# Altium PCB OECU_BASE.PcbDoc (part 3 of 6)
Units mil, origin at the board's own origin, x right, y up, seen from the top; angles counter-clockwise.
Board outline 3937.01 x 3937.01 mil, 6 copper layers (SIG1, GND1, SIG2, POWER, GND2, SIG3), stack 60.566 mil thick; 357 components, 364 nets, 1500 pads, 1127 vias.
Unrouted connection lines stored in the file: 1.
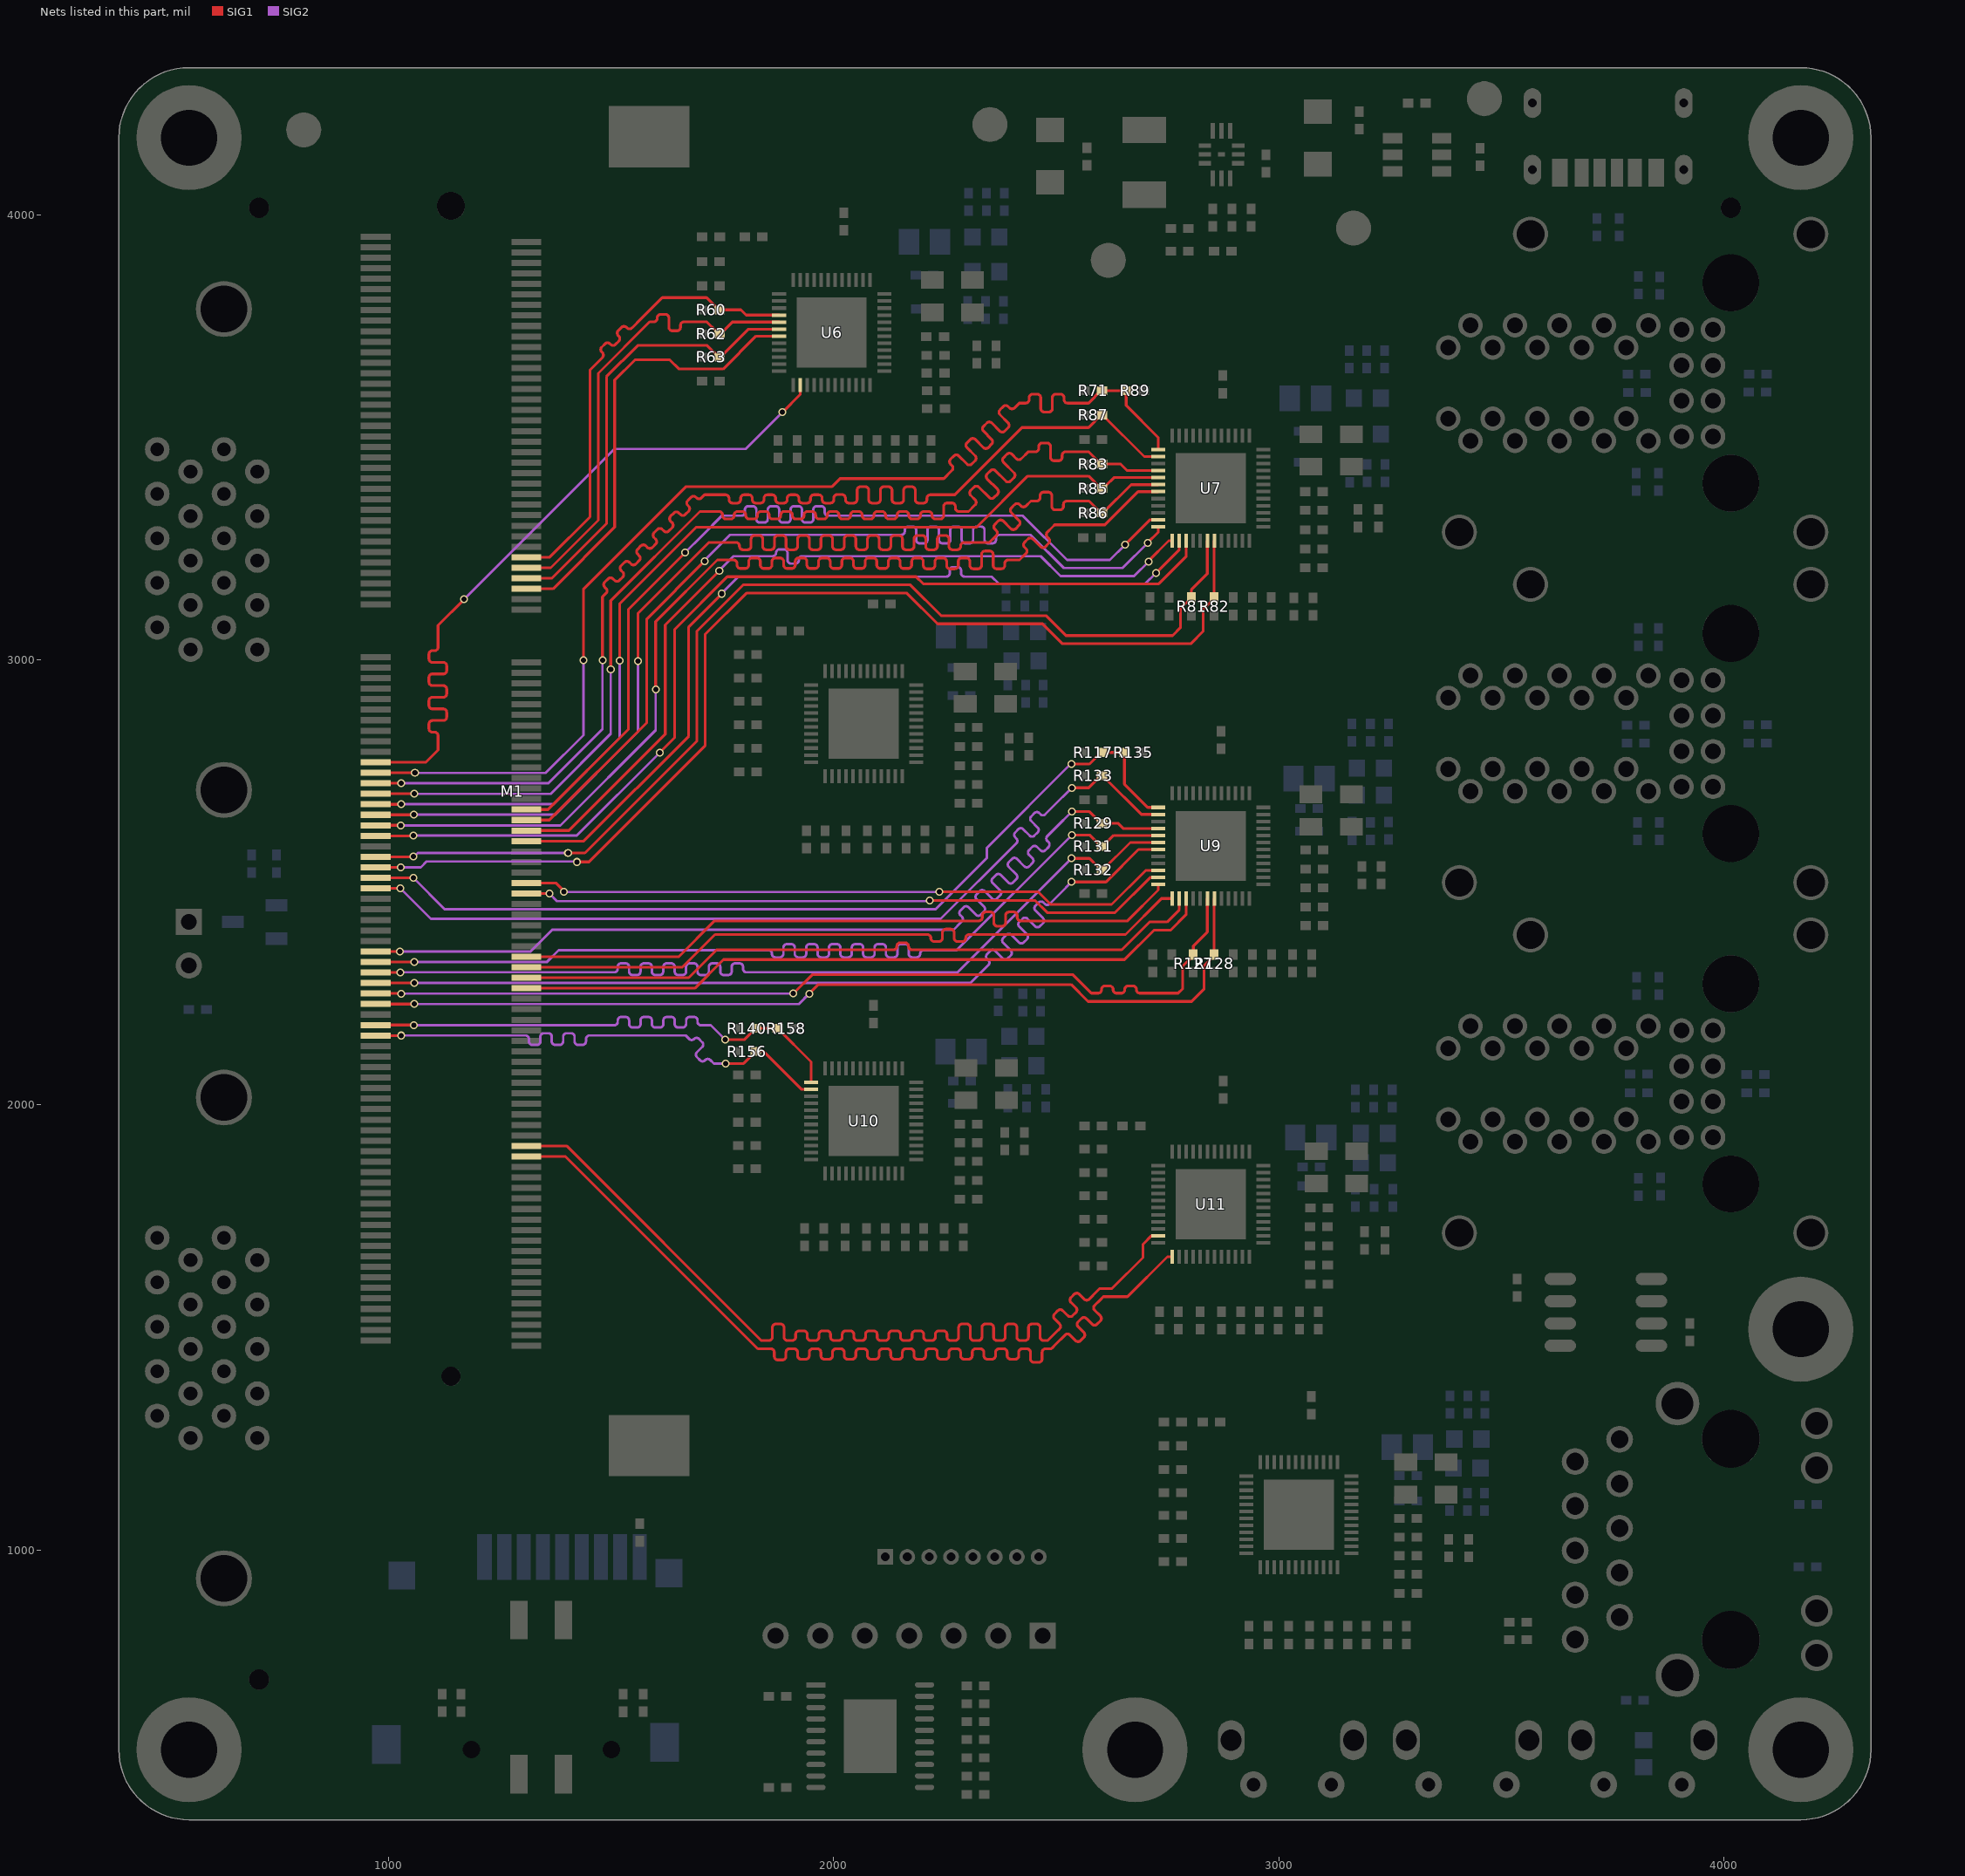
[diagram p7: the nets of this part, all layers, seen from the top]

## Via types
v1: diameter 17.72, hole 11.81, SIG1 to SIG3, tented both sides, 1064 vias
v2: diameter 23.62, hole 11.81, SIG1 to SIG3, tented both sides, 63 vias

## Nets (pads, with @x,y where several pads share a name; then routed paths per layer and width w, separated by ;. In a path a pad name is that pad's centre, name@x,y a point inside that pad or via, vN(x,y) a via of type N, cw(c..) or ccw(c..) an arc to the next point about the centre after c; other vN are vias at no path point) (continued)
IO34_7N: M1.99 R83.1 U7.16 | length 2779.6
  SIG1 w6.16: M1.99@970.71,2699.13 1057.87,2699.13 v1(1058,2699) ; v1(1499,2979) 1499,3133 1699.5,3333.5 1713.06,3333.5 1742.3,3333.5 cw(c1742.3,3325.65) 1750.15,3325.65 1750.15,3324.33 ccw(c1757.99,3324.33) 1757.99,3316.48 1768.46,3316.48 ccw(c1768.46,3324.33) 1776.31,3324.33 1776.31,3325.65 cw(c1784.15,3325.65) 1784.15,3333.5 1794.62,3333.5 cw(c1794.62,3325.65) 1802.47,3325.65 1802.47,3324.33 ccw(c1810.31,3324.33) 1810.31,3316.48 1820.78,3316.48 ccw(c1820.78,3324.33) 1828.63,3324.33 1828.63,3325.65 cw(c1836.47,3325.65) 1836.47,3333.5 1846.94,3333.5 cw(c1846.94,3325.65) 1854.79,3325.65 1854.79,3324.33 ccw(c1862.63,3324.33) 1862.63,3316.48 1873.1,3316.48 ccw(c1873.1,3324.33) 1880.95,3324.33 1880.95,3325.65 cw(c1888.79,3325.65) 1888.79,3333.5 1899.26,3333.5 cw(c1899.26,3325.65) 1907.11,3325.65 1907.11,3324.33 ccw(c1914.95,3324.33) 1914.95,3316.48 1925.42,3316.48 ccw(c1925.42,3324.33) 1933.27,3324.33 1933.27,3325.65 cw(c1941.11,3325.65) 1941.11,3333.5 1951.58,3333.5 cw(c1951.58,3325.65) 1959.43,3325.65 1959.43,3324.33 ccw(c1967.27,3324.33) 1967.27,3316.48 1977.74,3316.48 ccw(c1977.74,3324.33) 1985.59,3324.33 1985.59,3325.65 cw(c1993.43,3325.65) 1993.43,3333.5 2003.9,3333.5 cw(c2003.9,3325.65) 2011.75,3325.65 2011.75,3324.33 ccw(c2019.59,3324.33) 2019.59,3316.48 2030.06,3316.48 ccw(c2030.06,3324.33) 2037.91,3324.33 2037.91,3325.65 cw(c2045.75,3325.65) 2045.75,3333.5 2056.22,3333.5 cw(c2056.22,3325.65) 2064.07,3325.65 2064.07,3324.33 ccw(c2071.91,3324.33) 2071.91,3316.48 2082.38,3316.48 ccw(c2082.38,3324.33) 2090.23,3324.33 2090.23,3325.65 cw(c2098.07,3325.65) 2098.07,3333.5 2108.54,3333.5 cw(c2108.54,3325.65) 2116.39,3325.65 2116.39,3324.33 ccw(c2124.23,3324.33) 2124.23,3316.48 2134.7,3316.48 ccw(c2134.7,3324.33) 2142.55,3324.33 2142.55,3325.65 cw(c2150.39,3325.65) 2150.39,3333.5 2160.86,3333.5 cw(c2160.86,3325.65) 2168.71,3325.65 2168.71,3324.33 ccw(c2176.55,3324.33) 2176.55,3316.48 2187.02,3316.48 ccw(c2187.02,3324.33) 2194.87,3324.33 2194.87,3325.65 cw(c2202.71,3325.65) 2202.71,3333.5 2213.18,3333.5 cw(c2213.18,3325.65) 2221.03,3325.65 2221.03,3324.33 ccw(c2228.87,3324.33) 2228.87,3316.48 2239.34,3316.48 ccw(c2239.34,3324.33) 2247.19,3324.33 2247.19,3344.69 cw(c2255.03,3344.69) 2255.03,3352.54 2265.5,3352.54 cw(c2265.5,3344.69) 2273.35,3344.69 2273.35,3341.35 ccw(c2281.19,3341.35) 2281.19,3333.5 2295,3333.5 2303,3333.5 2315.78,3346.28 2317.96,3348.46 ccw(c2312.41,3354.01) 2317.96,3359.56 2307.87,3369.64 cw(c2313.42,3375.19) 2307.87,3380.74 2315.27,3388.14 cw(c2320.82,3382.59) 2326.37,3388.14 2349.52,3364.99 ccw(c2355.07,3370.54) 2360.62,3364.99 2368.02,3372.39 ccw(c2362.47,3377.94) 2368.02,3383.49 2344.87,3406.64 cw(c2350.42,3412.18) 2344.87,3417.73 2352.27,3425.13 cw(c2357.82,3419.58) 2363.37,3425.13 2386.52,3401.98 ccw(c2392.06,3407.53) 2397.61,3401.98 2405.01,3409.38 ccw(c2399.46,3414.93) 2405.01,3420.48 2381.86,3443.63 cw(c2387.41,3449.18) 2381.86,3454.73 2389.26,3462.13 cw(c2394.81,3456.58) 2400.36,3462.13 2410.45,3452.05 ccw(c2416,3457.59) 2421.55,3452.05 2436.78,3467.28 2437,3467.5 2450.02,3467.5 2453.1,3467.5 ccw(c2453.1,3475.35) 2460.95,3475.35 2460.95,3479.65 cw(c2468.8,3479.65) 2468.8,3487.5 2479.26,3487.5 cw(c2479.26,3479.65) 2487.11,3479.65 2487.11,3455.35 ccw(c2494.96,3455.35) 2494.96,3447.5 2505.42,3447.5 ccw(c2505.42,3455.35) 2513.27,3455.35 2513.27,3459.65 cw(c2521.12,3459.65) 2521.12,3467.5 2538.95,3467.5 2573.22,3467.5 2600.72,3440 2645,3440 2659.74,3425.26 U7.16@2729.28,3425.26
  SIG2 w5.61: v1(1058,2699) 1364,2699 1499,2834 v1(1499,2979)
IO34_7P: M1.97 R87.1 U7.14 | length 2799.1
  SIG1 w6.16: M1.97@970.71,2722.75 1027.75,2722.75 v1(1028,2723) ; v1(1480.5,2999) 1480.5,3141.5 1486.34,3147.34 1488.52,3149.52 ccw(c1482.97,3155.07) 1488.52,3160.62 1485.47,3163.66 cw(c1491.02,3169.21) 1485.47,3174.76 1492.87,3182.16 cw(c1498.42,3176.61) 1503.97,3182.16 1507.45,3178.68 ccw(c1513,3184.23) 1518.55,3178.68 1525.94,3186.08 ccw(c1520.4,3191.63) 1525.94,3197.18 1522.47,3200.65 cw(c1528.02,3206.2) 1522.47,3211.75 1529.87,3219.15 cw(c1535.42,3213.6) 1540.97,3219.15 1544.44,3215.68 ccw(c1549.99,3221.23) 1555.54,3215.68 1562.94,3223.08 ccw(c1557.39,3228.62) 1562.94,3234.17 1559.46,3237.65 cw(c1565.01,3243.2) 1559.46,3248.75 1566.86,3256.15 cw(c1572.41,3250.6) 1577.96,3256.15 1581.44,3252.67 ccw(c1586.99,3258.22) 1592.54,3252.67 1599.94,3260.07 ccw(c1594.39,3265.62) 1599.94,3271.17 1596.46,3274.65 cw(c1602.01,3280.2) 1596.46,3285.74 1603.86,3293.14 cw(c1609.41,3287.59) 1614.96,3293.14 1618.43,3289.67 ccw(c1623.98,3295.22) 1629.53,3289.67 1636.93,3297.07 ccw(c1631.38,3302.62) 1636.93,3308.17 1633.46,3311.64 cw(c1639.01,3317.19) 1633.46,3322.74 1640.86,3330.14 cw(c1646.4,3324.59) 1651.95,3330.14 1655.43,3326.66 ccw(c1660.98,3332.21) 1666.53,3326.66 1673.93,3334.06 ccw(c1668.38,3339.61) 1673.93,3345.16 1672.1,3346.99 cw(c1677.65,3352.54) 1672.1,3358.09 1679.5,3365.49 cw(c1685.05,3359.94) 1690.59,3365.49 1691.99,3364.09 ccw(c1697.54,3369.64) 1703.09,3364.09 1710.02,3371.02 1721.44,3371.02 1727.67,3371.02 1756.91,3371.02 cw(c1756.91,3363.17) 1764.76,3363.17 1764.76,3360.14 ccw(c1772.61,3360.14) 1772.61,3352.29 1783.07,3352.29 ccw(c1783.07,3360.14) 1790.92,3360.14 1790.92,3363.19 cw(c1798.77,3363.19) 1798.77,3371.04 1809.23,3371.04 cw(c1809.23,3363.19) 1817.08,3363.19 1817.08,3360.14 ccw(c1824.93,3360.14) 1824.93,3352.29 1835.39,3352.29 ccw(c1835.39,3360.14) 1843.24,3360.14 1843.24,3363.19 cw(c1851.09,3363.19) 1851.09,3371.04 1861.55,3371.04 cw(c1861.55,3363.19) 1869.4,3363.19 1869.4,3360.14 ccw(c1877.25,3360.14) 1877.25,3352.29 1887.71,3352.29 ccw(c1887.71,3360.14) 1895.56,3360.14 1895.56,3363.19 cw(c1903.41,3363.19) 1903.41,3371.04 1913.87,3371.04 cw(c1913.87,3363.19) 1921.72,3363.19 1921.72,3360.14 ccw(c1929.57,3360.14) 1929.57,3352.29 1940.03,3352.29 ccw(c1940.03,3360.14) 1947.88,3360.14 1947.88,3363.19 cw(c1955.73,3363.19) 1955.73,3371.04 1966.19,3371.04 cw(c1966.19,3363.19) 1974.04,3363.19 1974.04,3360.14 ccw(c1981.89,3360.14) 1981.89,3352.29 1992.35,3352.29 ccw(c1992.35,3360.14) 2000.2,3360.14 2000.2,3363.56 cw(c2008.05,3363.56) 2008.05,3371.41 2018.51,3371.41 cw(c2018.51,3363.56) 2026.36,3363.56 2026.36,3360.14 ccw(c2034.21,3360.14) 2034.21,3352.29 2044.67,3352.29 ccw(c2044.67,3360.14) 2052.52,3360.14 2052.52,3381.15 cw(c2060.37,3381.15) 2060.37,3388.99 2070.83,3388.99 cw(c2070.83,3381.15) 2078.68,3381.15 2078.68,3360.14 ccw(c2086.53,3360.14) 2086.53,3352.29 2096.99,3352.29 ccw(c2096.99,3360.14) 2104.84,3360.14 2104.84,3381.15 cw(c2112.69,3381.15) 2112.69,3388.99 2123.15,3388.99 cw(c2123.15,3381.15) 2131,3381.15 2131,3360.14 ccw(c2138.85,3360.14) 2138.85,3352.29 2149.31,3352.29 ccw(c2149.31,3360.14) 2157.16,3360.14 2157.16,3381.15 cw(c2165.01,3381.15) 2165.01,3388.99 2175.47,3388.99 cw(c2175.47,3381.15) 2183.32,3381.15 2183.32,3360.14 ccw(c2191.17,3360.14) 2191.17,3352.29 2201.63,3352.29 ccw(c2201.63,3360.14) 2209.48,3360.14 2209.48,3363.17 cw(c2217.33,3363.17) 2217.33,3371.02 2236.81,3371.02 2272.02,3371.02 2423,3522 2429.28,3522 2484.12,3522 2572.72,3522 2600.72,3550 R87.1@2602.68,3550 2604.65,3550 2697.9,3456.76 U7.14@2729.28,3456.76
  SIG2 w5.61: v1(1028,2723) 1359,2723 1480.5,2844.5 v1(1480.5,2999)
IO34_8N: M1.93 U6.26 | length 1708.3
  SIG1 w6.16: M1.93@970.71,2770 1083.5,2770 1111,2797.5 1111,2826.59 1111,2829.67 ccw(c1103.15,2829.67) 1103.15,2837.52 1098.35,2837.52 cw(c1098.35,2845.37) 1090.5,2845.37 1090.5,2855.83 cw(c1098.35,2855.83) 1098.35,2863.68 1122.65,2863.68 ccw(c1122.65,2871.53) 1130.5,2871.53 1130.5,2881.99 ccw(c1122.65,2881.99) 1122.65,2889.84 1098.35,2889.84 cw(c1098.35,2897.69) 1090.5,2897.69 1090.5,2908.15 cw(c1098.35,2908.15) 1098.35,2916 1122.65,2916 ccw(c1122.65,2923.85) 1130.5,2923.85 1130.5,2934.31 ccw(c1122.65,2934.31) 1122.65,2942.16 1098.35,2942.16 cw(c1098.35,2950.01) 1090.5,2950.01 1090.5,2960.47 cw(c1098.35,2960.47) 1098.35,2968.32 1122.65,2968.32 ccw(c1122.65,2976.17) 1130.5,2976.17 1130.5,2986.63 ccw(c1122.65,2986.63) 1122.65,2994.48 1098.35,2994.48 cw(c1098.35,3002.33) 1090.5,3002.33 1090.5,3012.79 cw(c1098.35,3012.79) 1098.35,3020.64 1103.15,3020.64 ccw(c1103.15,3028.49) 1111,3028.49 1111,3062.07 1111,3077.5 v1(1169.5,3136) ; v1(1885,3556.5) 1924.52,3596.02 U6.26@1924.52,3617.28
  SIG2 w5.61: v1(1169.5,3136) 1507.5,3474 1802.5,3474 v1(1885,3556.5)
IO34_8P: M1.95 R71.2 R89.1 U7.13 | length 2723.9
  SIG1 w6.16: M1.95@970.71,2746.38 1058.62,2746.38 v1(1059,2746) ; v1(1437.5,2999) 1437.5,3158.5 1668.52,3389.52 1996.52,3389.52 2014.47,3407.47 2247.47,3407.47 2263.52,3423.52 2265.69,3425.69 ccw(c2260.14,3431.24) 2265.69,3436.79 2262.65,3439.84 cw(c2268.2,3445.38) 2262.65,3450.93 2270.05,3458.33 cw(c2275.6,3452.78) 2281.15,3458.33 2299.28,3440.2 ccw(c2304.83,3445.75) 2310.38,3440.2 2317.77,3447.6 ccw(c2312.23,3453.15) 2317.77,3458.7 2299.65,3476.83 cw(c2305.2,3482.38) 2299.65,3487.93 2307.04,3495.33 cw(c2312.59,3489.78) 2318.14,3495.33 2336.27,3477.2 ccw(c2341.82,3482.75) 2347.37,3477.2 2354.77,3484.6 ccw(c2349.22,3490.15) 2354.77,3495.7 2336.64,3513.83 cw(c2342.19,3519.38) 2336.64,3524.93 2344.04,3532.32 cw(c2349.59,3526.78) 2355.14,3532.32 2373.27,3514.2 ccw(c2378.82,3519.74) 2384.37,3514.2 2391.77,3521.59 ccw(c2386.22,3527.14) 2391.77,3532.69 2373.64,3550.82 cw(c2379.19,3556.37) 2373.64,3561.92 2381.04,3569.32 cw(c2386.59,3563.77) 2392.14,3569.32 2395.18,3566.28 ccw(c2400.73,3571.83) 2406.28,3566.28 2417,3577 2428.11,3577 2431.19,3577 ccw(c2431.19,3584.85) 2439.04,3584.85 2439.04,3589.15 cw(c2446.89,3589.15) 2446.89,3597 2457.35,3597 cw(c2457.35,3589.15) 2465.2,3589.15 2465.2,3564.85 ccw(c2473.05,3564.85) 2473.05,3557 2483.51,3557 ccw(c2483.51,3564.85) 2491.36,3564.85 2491.36,3589.15 cw(c2499.21,3589.15) 2499.21,3597 2509.67,3597 cw(c2509.67,3589.15) 2517.52,3589.15 2517.52,3584.85 ccw(c2525.37,3584.85) 2525.37,3577 2558.53,3577 2572.72,3577 2600.72,3605 R89.1@2657.32,3605 2657.32,3571.68 2729.28,3499.72 U7.13@2729.28,3472.5
  SIG2 w5.61: v1(1059,2746) 1352.5,2746 1437.5,2831 v1(1437.5,2999)
IO34_9N: M1.113 R82.1 U7.31 | length 2534.8
  SIG1 w6.16: M1.113@970.71,2533.78 1026.78,2533.78 v1(1027,2534) ; v1(1423,2546) 1450,2546 1711,2807 1711,3057 1804,3150 2164.5,3150 2233.48,3081.02 2469.35,3081.02 2514.25,3036.12 2802.12,3036.12 2830,3064 2830,3113.03 2855,3138.03 2855,3267.52 U7.31@2855.26,3267.78
  SIG2 w5.61: v1(1027,2534) 1072,2534 1085,2547 1422,2547 v1(1423,2546)
IO34_9P: M1.111 R81.1 U7.30 | length 2481.4
  SIG1 w6.16: M1.111@970.71,2557.4 1055.4,2557.4 v1(1056,2558) ; v1(1403,2566) 1441,2566 1692.52,2817.52 1692.52,3064.65 1796.35,3168.48 2172.15,3168.48 2241.13,3099.5 2477,3099.5 2521.9,3054.6 2761.62,3054.6 2779,3071.98 2779,3115 R81.1@2804,3140 2804,3158.25 2839.51,3193.77 U7.30@2839.51,3267.78
  SIG2 w5.61: v1(1056,2558) 1057.34,2558 1065.34,2566 v1(1403,2566)
IO34_10N: M1.118 U9.23 | length 1471.5
  SIG1 w6.16: M1.118@1309.29,2474.72 1360.72,2474.72 v1(1361,2475) ; v1(2215.5,2459) 2230,2459 2329.02,2459 2452.87,2459 2479.85,2432.02 2632.15,2432.02 2711.16,2511.02 U9.23@2729.28,2511.02
  SIG2 w5.61: v1(1361,2475) 1378.07,2457.93 2214.43,2457.93 v1(2215.5,2459)
IO34_10P: M1.116 U9.22 | length 1473.5
  SIG1 w6.16: M1.116@1309.29,2498.34 1376.52,2498.34 1393.5,2481.37 v1(1393.5,2478.5) ; v1(2237,2479) 2382.84,2479 2446.13,2479 2459,2479 2487.5,2450.5 2624.5,2450.5 2700.77,2526.77 U9.22@2729.28,2526.77
  SIG2 w5.61: v1(1393.5,2478.5) 2236.5,2478.5 v1(2237,2479)
IO34_11N: M1.107 U7.27 | length 2272.6
  SIG1 w6.16: M1.107@970.71,2604.64 1055.64,2604.64 v1(1056,2605) ; v1(1609,2791.5) 1642.5,2825 1642.5,3068.5 1760.96,3186.96 2185.04,3186.96 2201,3171 2730.5,3171 2792.27,3232.77 U7.27@2792.27,3267.78
  SIG2 w5.61: v1(1056,2605) 1422.5,2605 v1(1609,2791.5)
IO34_11P: M1.105 U7.19 | length 2705.2
  SIG1 w6.16: M1.105@970.71,2628.26 1026.74,2628.26 v1(1027,2628) ; v1(1600,2934) 1600,3086 1738.6,3224.6 1745.7,3224.6 1774.94,3224.6 cw(c1774.94,3216.75) 1782.79,3216.75 1782.79,3213.29 ccw(c1790.64,3213.29) 1790.64,3205.44 1801.1,3205.44 ccw(c1801.1,3213.29) 1808.95,3213.29 1808.95,3221.16 cw(c1816.8,3221.16) 1816.8,3229.01 1827.26,3229.01 cw(c1827.26,3221.16) 1835.11,3221.16 1835.11,3213.29 ccw(c1842.96,3213.29) 1842.96,3205.44 1853.42,3205.44 ccw(c1853.42,3213.29) 1861.27,3213.29 1861.27,3221.16 cw(c1869.12,3221.16) 1869.12,3229.01 1879.58,3229.01 cw(c1879.58,3221.16) 1887.43,3221.16 1887.43,3213.29 ccw(c1895.28,3213.29) 1895.28,3205.44 1905.74,3205.44 ccw(c1905.74,3213.29) 1913.59,3213.29 1913.59,3221.16 cw(c1921.44,3221.16) 1921.44,3229.01 1931.9,3229.01 cw(c1931.9,3221.16) 1939.75,3221.16 1939.75,3213.29 ccw(c1947.6,3213.29) 1947.6,3205.44 1958.06,3205.44 ccw(c1958.06,3213.29) 1965.91,3213.29 1965.91,3221.16 cw(c1973.76,3221.16) 1973.76,3229.01 1984.22,3229.01 cw(c1984.22,3221.16) 1992.07,3221.16 1992.07,3213.29 ccw(c1999.92,3213.29) 1999.92,3205.44 2010.38,3205.44 ccw(c2010.38,3213.29) 2018.23,3213.29 2018.23,3221.16 cw(c2026.08,3221.16) 2026.08,3229.01 2036.54,3229.01 cw(c2036.54,3221.16) 2044.39,3221.16 2044.39,3213.29 ccw(c2052.24,3213.29) 2052.24,3205.44 2062.7,3205.44 ccw(c2062.7,3213.29) 2070.55,3213.29 2070.55,3221.16 cw(c2078.4,3221.16) 2078.4,3229.01 2088.86,3229.01 cw(c2088.86,3221.16) 2096.71,3221.16 2096.71,3213.29 ccw(c2104.56,3213.29) 2104.56,3205.44 2115.02,3205.44 ccw(c2115.02,3213.29) 2122.87,3213.29 2122.87,3221.16 cw(c2130.72,3221.16) 2130.72,3229.01 2141.18,3229.01 cw(c2141.18,3221.16) 2149.03,3221.16 2149.03,3213.29 ccw(c2156.88,3213.29) 2156.88,3205.44 2167.34,3205.44 ccw(c2167.34,3213.29) 2175.19,3213.29 2175.19,3221.16 cw(c2183.04,3221.16) 2183.04,3229.01 2193.5,3229.01 cw(c2193.5,3221.16) 2201.35,3221.16 2201.35,3212.45 ccw(c2209.2,3212.45) 2209.2,3204.6 2219.66,3204.6 ccw(c2219.66,3212.45) 2227.51,3212.45 2227.51,3221.16 cw(c2235.36,3221.16) 2235.36,3229.01 2245.82,3229.01 cw(c2245.82,3221.16) 2253.67,3221.16 2253.67,3212.45 ccw(c2261.52,3212.45) 2261.52,3204.6 2271.98,3204.6 ccw(c2271.98,3212.45) 2279.83,3212.45 2279.83,3221.16 cw(c2287.68,3221.16) 2287.68,3229.01 2298.14,3229.01 cw(c2298.14,3221.16) 2305.99,3221.16 2305.99,3212.45 ccw(c2313.84,3212.45) 2313.84,3204.6 2324.3,3204.6 ccw(c2324.3,3212.45) 2332.15,3212.45 2332.15,3236.75 cw(c2340,3236.75) 2340,3244.6 2350.46,3244.6 cw(c2350.46,3236.75) 2358.31,3236.75 2358.31,3212.45 ccw(c2366.16,3212.45) 2366.16,3204.6 2376.62,3204.6 ccw(c2376.62,3212.45) 2384.47,3212.45 2384.47,3216.75 cw(c2392.32,3216.75) 2392.32,3224.6 2406.88,3224.6 2417.6,3224.6 2429.78,3236.78 2431.96,3238.96 ccw(c2426.41,3244.51) 2431.96,3250.06 2428.91,3253.1 cw(c2434.46,3258.65) 2428.91,3264.2 2436.31,3271.6 cw(c2441.86,3266.05) 2447.41,3271.6 2464.6,3254.41 ccw(c2470.15,3259.96) 2475.7,3254.41 2483.1,3261.81 ccw(c2477.55,3267.36) 2483.1,3272.91 2480.05,3275.95 cw(c2485.6,3281.5) 2480.05,3287.05 2491.15,3298.15 2496.5,3303.5 2609.5,3303.5 2684.02,3378.02 U7.19@2729.28,3378.02
  SIG2 w5.61: v1(1027,2628) 1386,2628 1600,2842 v1(1600,2934)
IO34_13N: M1.106 U7.25 | length 1947.8
  SIG1 w6.16: M1.106@1309.29,2616.45 1404.95,2616.45 1621.5,2833 1621.5,3078.5 v1(1743,3200) ; v1(2707.5,3221) 2707.5,3222.5 2752.78,3267.78 U7.25@2760.77,3267.78
  SIG2 w5.61: v1(1743,3200) 1743,3201 1775,3233 1859.9,3233 1862.71,3233 ccw(c1862.71,3240.68) 1870.39,3240.68 1870.39,3240.74 cw(c1878.07,3240.74) 1878.07,3248.42 1888.32,3248.42 cw(c1888.32,3240.74) 1896,3240.74 1896,3224.04 ccw(c1903.68,3224.04) 1903.68,3216.36 1913.93,3216.36 ccw(c1913.93,3224.04) 1921.61,3224.04 1921.61,3225.32 cw(c1929.29,3225.32) 1929.29,3233 1943.96,3233 2465,3233 2509.57,3188.43 2674.93,3188.43 v1(2707.5,3221)
IO34_13P: M1.108 U7.26 | length 1946.8
  SIG1 w6.16: M1.108@1309.29,2592.83 1438.33,2592.83 1674.04,2828.54 1674.04,3073.91 v1(1748.82,3148.68) ; v1(2724.5,3195.5) 2776.52,3247.52 U7.26@2776.52,3267.78
  SIG2 w5.61: v1(1748.82,3148.68) 1748.82,3150.32 1785.5,3187 2250.19,3187 2253,3187 ccw(c2253,3194.68) 2260.68,3194.68 2260.68,3200.79 cw(c2268.36,3200.79) 2268.36,3208.48 2278.61,3208.48 cw(c2278.61,3200.79) 2286.29,3200.79 2286.29,3194.68 ccw(c2293.97,3194.68) 2293.97,3187 2345.34,3187 2355,3187 2371.5,3170.5 2699.5,3170.5 v1(2724.5,3195.5)
IO34_14N: M1.143 R140.2 R158.1 U10.13 | length 1207.5
  SIG1 w6.16: M1.143@970.71,2179.44 1056.56,2179.44 v1(1057,2179) ; v1(1756,2147) 1799.68,2147 R140.2@1824.69,2172 R158.1@1873.32,2172 1873.32,2172.68 1949.28,2096.72 U10.13@1949.28,2050.61
  SIG2 w5.61: v1(1057,2179) 1504.24,2179 1507.05,2179 ccw(c1507.05,2186.68) 1514.73,2186.68 1514.73,2189.97 cw(c1522.41,2189.97) 1522.41,2197.66 1532.66,2197.66 cw(c1532.66,2189.97) 1540.34,2189.97 1540.34,2181.61 ccw(c1548.02,2181.61) 1548.02,2173.93 1558.27,2173.93 ccw(c1558.27,2181.61) 1565.95,2181.61 1565.95,2189.97 cw(c1573.63,2189.97) 1573.63,2197.66 1583.88,2197.66 cw(c1583.88,2189.97) 1591.56,2189.97 1591.56,2181.61 ccw(c1599.24,2181.61) 1599.24,2173.93 1609.49,2173.93 ccw(c1609.49,2181.61) 1617.17,2181.61 1617.17,2189.97 cw(c1624.85,2189.97) 1624.85,2197.66 1635.1,2197.66 cw(c1635.1,2189.97) 1642.78,2189.97 1642.78,2181.61 ccw(c1650.46,2181.61) 1650.46,2173.93 1660.71,2173.93 ccw(c1660.71,2181.61) 1668.39,2181.61 1668.39,2189.97 cw(c1676.07,2189.97) 1676.07,2197.66 1686.32,2197.66 cw(c1686.32,2189.97) 1694,2189.97 1694,2186.68 ccw(c1701.68,2186.68) 1701.68,2179 1713.02,2179 1724,2179 v1(1756,2147)
IO34_14P: M1.145 R156.1 U10.14 | length 1202.7
  SIG1 w6.16: M1.145@970.71,2155.82 1027.82,2155.82 v1(1028,2156) ; v1(1757,2093) 1797.69,2093 R156.1@1824.68,2120 1843,2120 1928.13,2034.87 U10.14@1949.28,2034.87